# Altium PCB 10515.0500_Display_System（6拼版）_V1.0_20200907.PcbDoc (part 1 of 13) (continued)
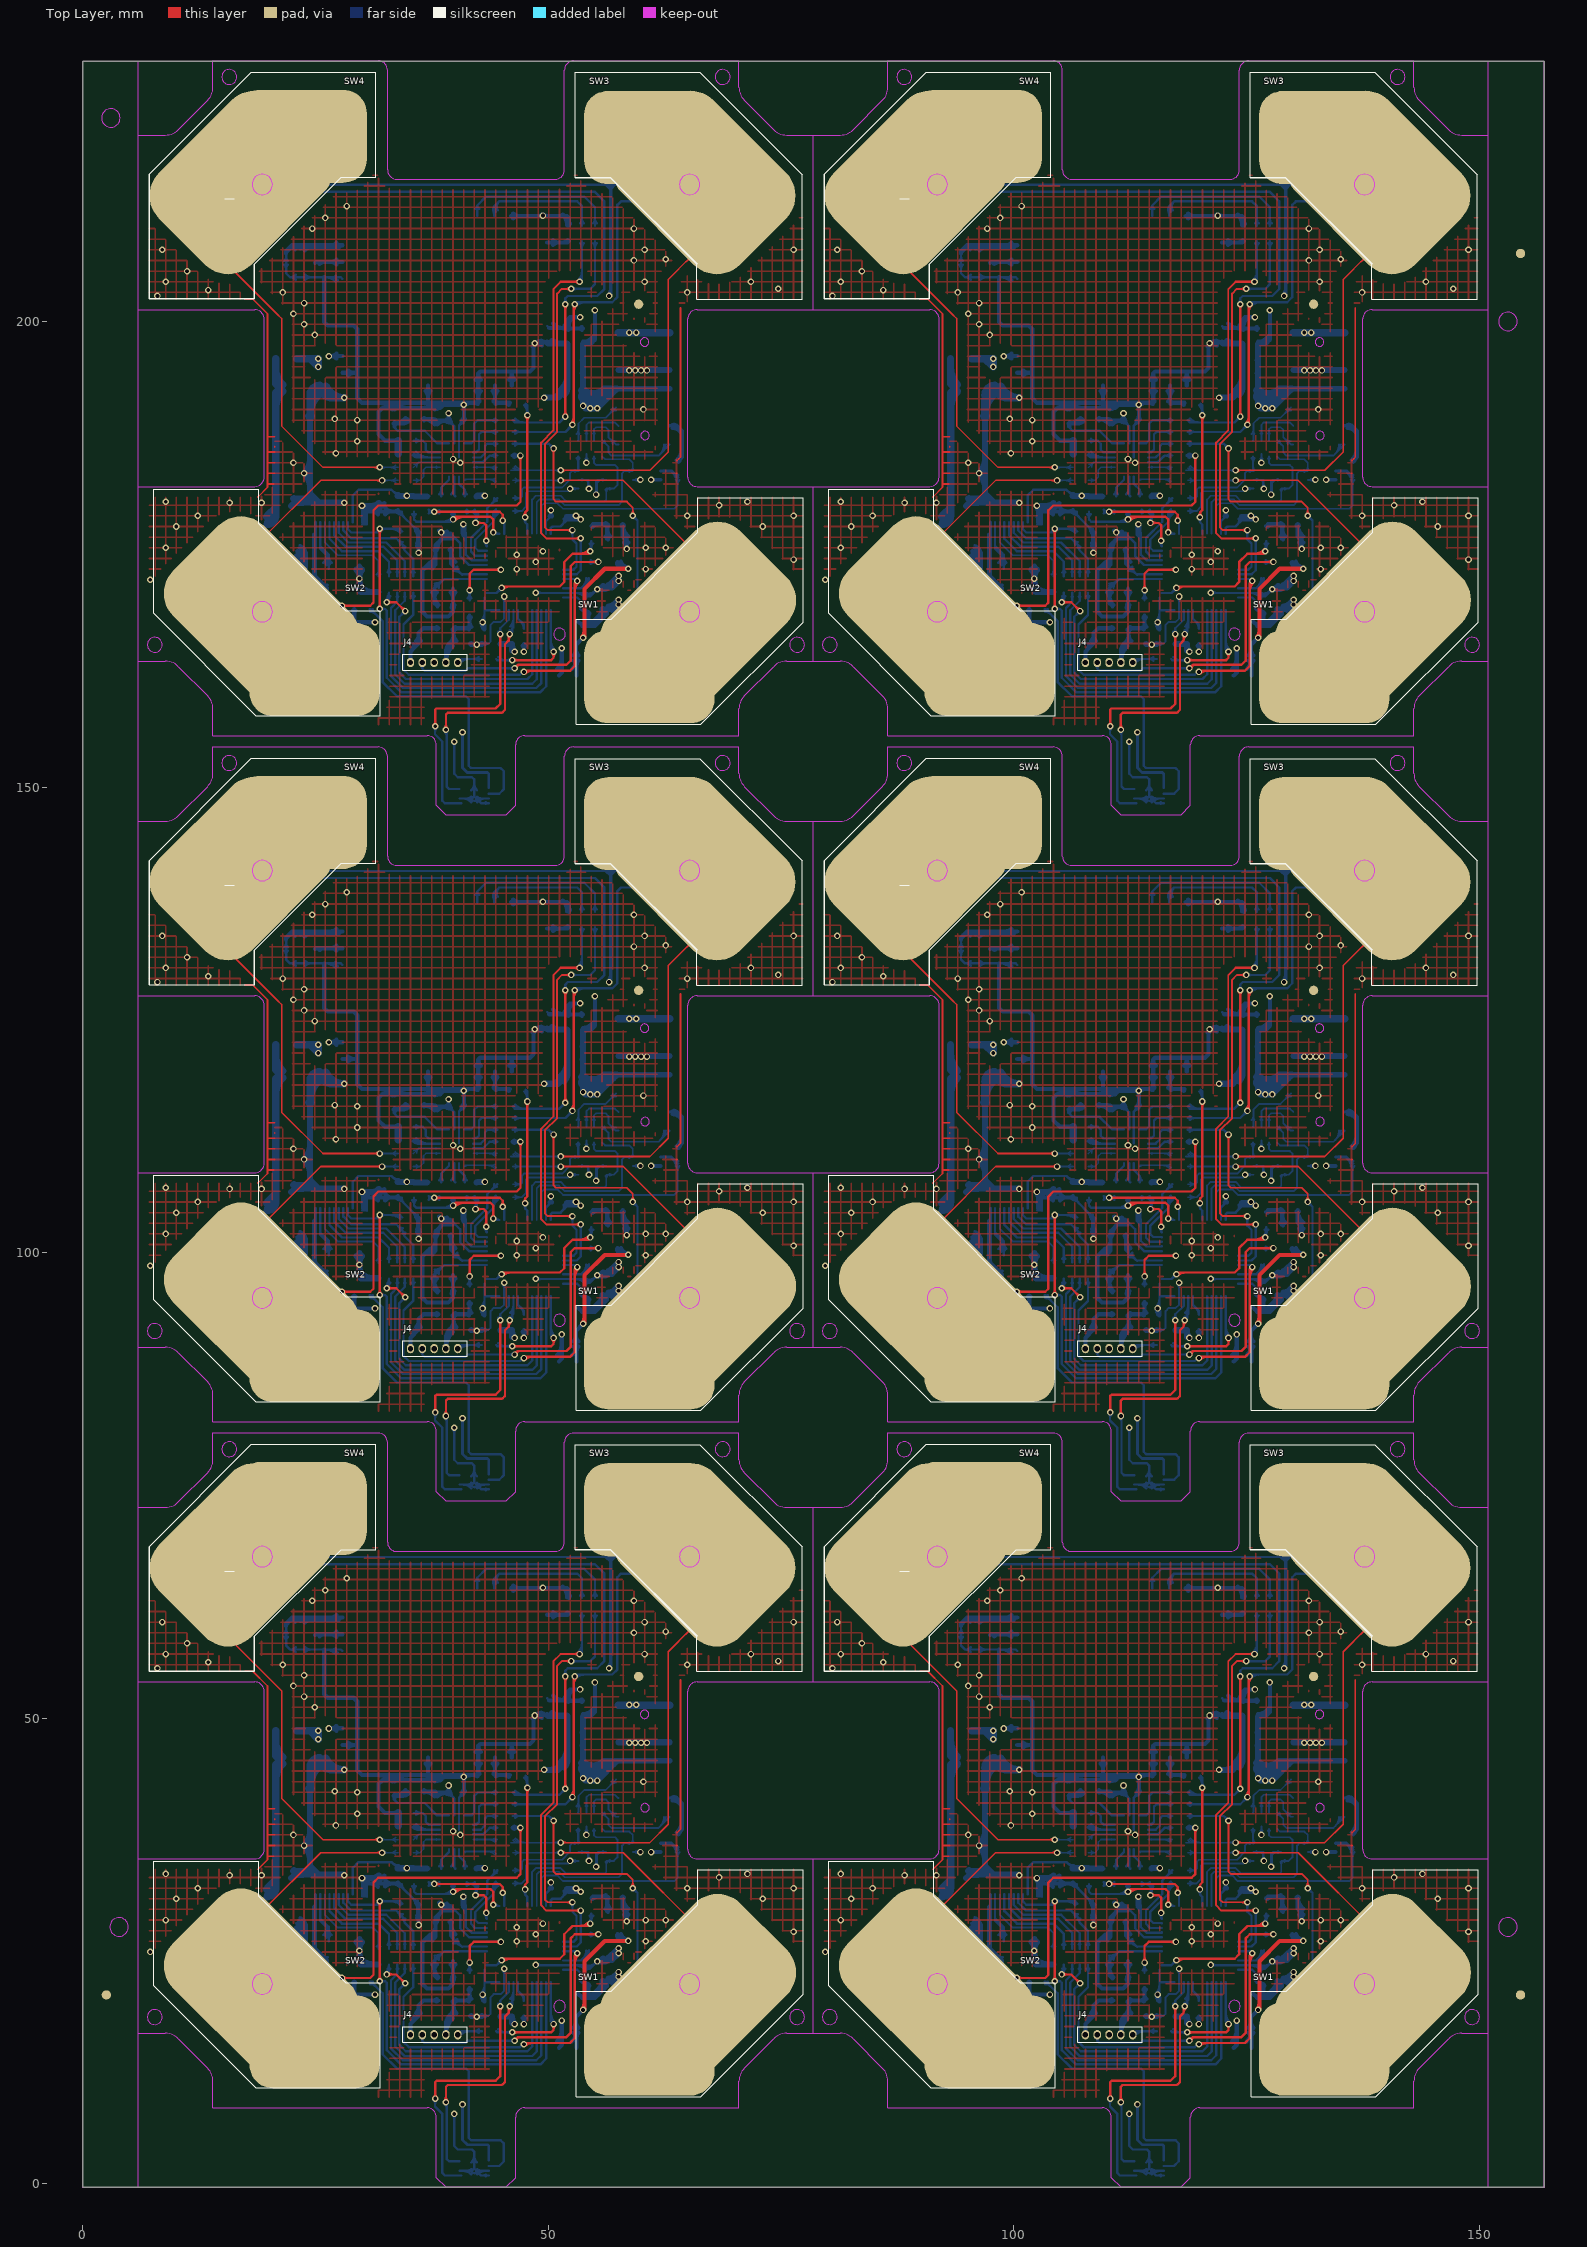
[diagram p0: Top Layer view]
## Components (designator, comment, footprint, x,y, rotation, side; value= is the part's Value field where it differs from the comment) (continued)
C23 "20pF/0603" CAP/SMT/0603C 38.136,22.098 r0 bottom
C23 "20pF/0603" CAP/SMT/0603C 110.636,169.498 r0 bottom
C23 "20pF/0603" CAP/SMT/0603C 110.636,95.798 r0 bottom
C23 "20pF/0603" CAP/SMT/0603C 110.636,22.098 r0 bottom
C24 "20pF/0603" CAP/SMT/0603C 39.533,175.594 r180 bottom
C24 "20pF/0603" CAP/SMT/0603C 39.533,101.894 r180 bottom
C24 "20pF/0603" CAP/SMT/0603C 39.533,28.194 r180 bottom
C24 "20pF/0603" CAP/SMT/0603C 112.033,175.594 r180 bottom
C24 "20pF/0603" CAP/SMT/0603C 112.033,101.894 r180 bottom
C24 "20pF/0603" CAP/SMT/0603C 112.033,28.194 r180 bottom
C25 "0.1uF/0603" CAP/SMT/0603C 41.565,165.434 r90 bottom
C25 "0.1uF/0603" CAP/SMT/0603C 41.565,91.734 r90 bottom
C25 "0.1uF/0603" CAP/SMT/0603C 41.565,18.034 r90 bottom
C25 "0.1uF/0603" CAP/SMT/0603C 114.065,165.434 r90 bottom
C25 "0.1uF/0603" CAP/SMT/0603C 114.065,91.734 r90 bottom
C25 "0.1uF/0603" CAP/SMT/0603C 114.065,18.034 r90 bottom
D1 "1N4148/SOD-123" D/SMT/SOD-123#1 52.995,165.942 r270 bottom
D1 "1N4148/SOD-123" D/SMT/SOD-123#1 52.995,92.242 r270 bottom
D1 "1N4148/SOD-123" D/SMT/SOD-123#1 52.995,18.542 r270 bottom
D1 "1N4148/SOD-123" D/SMT/SOD-123#1 125.495,165.942 r270 bottom
D1 "1N4148/SOD-123" D/SMT/SOD-123#1 125.495,92.242 r270 bottom
D1 "1N4148/SOD-123" D/SMT/SOD-123#1 125.495,18.542 r270 bottom
D2 "1N4007-SOD123" D/SMT/SOD123 23.15,175.213 r135 bottom
D2 "1N4007-SOD123" D/SMT/SOD123 23.15,101.513 r135 bottom
D2 "1N4007-SOD123" D/SMT/SOD123 23.15,27.813 r135 bottom
D2 "1N4007-SOD123" D/SMT/SOD123 95.65,175.213 r135 bottom
D2 "1N4007-SOD123" D/SMT/SOD123 95.65,101.513 r135 bottom
D2 "1N4007-SOD123" D/SMT/SOD123 95.65,27.813 r135 bottom
D3 "SMF13CA/SOD-123" D/SMT/SOD123 20.991,192.866 r0 bottom
D3 "SMF13CA/SOD-123" D/SMT/SOD123 20.991,119.166 r0 bottom
D3 "SMF13CA/SOD-123" D/SMT/SOD123 20.991,45.466 r0 bottom
D3 "SMF13CA/SOD-123" D/SMT/SOD123 93.491,192.866 r0 bottom
D3 "SMF13CA/SOD-123" D/SMT/SOD123 93.491,119.166 r0 bottom
D3 "SMF13CA/SOD-123" D/SMT/SOD123 93.491,45.466 r0 bottom
D4 "SR05-4B/SOT-363" TSOT-6L 59.091,182.071 r0 bottom
D4 "SR05-4B/SOT-363" TSOT-6L 59.091,108.371 r0 bottom
D4 "SR05-4B/SOT-363" TSOT-6L 59.091,34.671 r0 bottom
D4 "SR05-4B/SOT-363" TSOT-6L 131.591,182.071 r0 bottom
D4 "SR05-4B/SOT-363" TSOT-6L 131.591,108.371 r0 bottom
D4 "SR05-4B/SOT-363" TSOT-6L 131.591,34.671 r0 bottom
D7 "ZMM12V" D/SMT/SOD-80 20.737,190.199 r0 bottom
D7 "ZMM12V" D/SMT/SOD-80 20.737,116.499 r0 bottom
D7 "ZMM12V" D/SMT/SOD-80 20.737,42.799 r0 bottom
D7 "ZMM12V" D/SMT/SOD-80 93.237,190.199 r0 bottom
D7 "ZMM12V" D/SMT/SOD-80 93.237,116.499 r0 bottom
D7 "ZMM12V" D/SMT/SOD-80 93.237,42.799 r0 bottom
D8 "1N4148/SOD-123" D/SMT/SOD-123#2 37.882,165.434 r0 bottom
D8 "1N4148/SOD-123" D/SMT/SOD-123#2 37.882,91.734 r0 bottom
D8 "1N4148/SOD-123" D/SMT/SOD-123#2 37.882,18.034 r0 bottom
D8 "1N4148/SOD-123" D/SMT/SOD-123#2 110.382,165.434 r0 bottom
D8 "1N4148/SOD-123" D/SMT/SOD-123#2 110.382,91.734 r0 bottom
D8 "1N4148/SOD-123" D/SMT/SOD-123#2 110.382,18.034 r0 bottom
D9 "SR05-4B/SOT-363" TSOT-6L 53.249,182.071 r0 bottom
D9 "SR05-4B/SOT-363" TSOT-6L 53.249,108.371 r0 bottom
D9 "SR05-4B/SOT-363" TSOT-6L 53.249,34.671 r0 bottom
D9 "SR05-4B/SOT-363" TSOT-6L 125.749,182.071 r0 bottom
D9 "SR05-4B/SOT-363" TSOT-6L 125.749,108.371 r0 bottom
D9 "SR05-4B/SOT-363" TSOT-6L 125.749,34.671 r0 bottom
EC1 "4.7uF/25V" CAP/SMT/TAJA106M010RNJ 26.325,171.022 r0 bottom
EC1 "4.7uF/25V" CAP/SMT/TAJA106M010RNJ 26.325,97.322 r0 bottom
EC1 "4.7uF/25V" CAP/SMT/TAJA106M010RNJ 26.325,23.622 r0 bottom
EC1 "4.7uF/25V" CAP/SMT/TAJA106M010RNJ 98.825,171.022 r0 bottom
EC1 "4.7uF/25V" CAP/SMT/TAJA106M010RNJ 98.825,97.322 r0 bottom
EC1 "4.7uF/25V" CAP/SMT/TAJA106M010RNJ 98.825,23.622 r0 bottom
EC2 "4.7uF/25V" CAP/SMT/TAJA106M010RNJ 26.325,173.562 r0 bottom
EC2 "4.7uF/25V" CAP/SMT/TAJA106M010RNJ 26.325,99.862 r0 bottom
EC2 "4.7uF/25V" CAP/SMT/TAJA106M010RNJ 26.325,26.162 r0 bottom
EC2 "4.7uF/25V" CAP/SMT/TAJA106M010RNJ 98.825,173.562 r0 bottom
EC2 "4.7uF/25V" CAP/SMT/TAJA106M010RNJ 98.825,99.862 r0 bottom
EC2 "4.7uF/25V" CAP/SMT/TAJA106M010RNJ 98.825,26.162 r0 bottom
J1 "CON/2X7PIN" CON/SMT/2×7PIN/2.0MM 61.25,188.834 r180 bottom locked
J1 "CON/2X7PIN" CON/SMT/2×7PIN/2.0MM 61.25,115.134 r180 bottom locked
J1 "CON/2X7PIN" CON/SMT/2×7PIN/2.0MM 61.25,41.434 r180 bottom locked
J1 "CON/2X7PIN" CON/SMT/2×7PIN/2.0MM 133.75,188.834 r180 bottom locked
J1 "CON/2X7PIN" CON/SMT/2×7PIN/2.0MM 133.75,115.134 r180 bottom locked
J1 "CON/2X7PIN" CON/SMT/2×7PIN/2.0MM 133.75,41.434 r180 bottom locked
J3 "Antena_W.FL-LP" W.FL.LP-3MM 23.404,206.328 r90 bottom
J3 "Antena_W.FL-LP" W.FL.LP-3MM 23.404,132.628 r90 bottom
J3 "Antena_W.FL-LP" W.FL.LP-3MM 23.404,58.928 r90 bottom
J3 "Antena_W.FL-LP" W.FL.LP-3MM 95.904,206.328 r90 bottom
J3 "Antena_W.FL-LP" W.FL.LP-3MM 95.904,132.628 r90 bottom
J3 "Antena_W.FL-LP" W.FL.LP-3MM 95.904,58.928 r90 bottom
J4 "CON/DIP/1X5PIN_2MM" CON/DIP/1X5PIN/1.27MM 35.215,163.402 r0 top
J4 "CON/DIP/1X5PIN_2MM" CON/DIP/1X5PIN/1.27MM 35.215,89.702 r0 top
J4 "CON/DIP/1X5PIN_2MM" CON/DIP/1X5PIN/1.27MM 35.215,16.002 r0 top
J4 "CON/DIP/1X5PIN_2MM" CON/DIP/1X5PIN/1.27MM 107.715,163.402 r0 top
J4 "CON/DIP/1X5PIN_2MM" CON/DIP/1X5PIN/1.27MM 107.715,89.702 r0 top
J4 "CON/DIP/1X5PIN_2MM" CON/DIP/1X5PIN/1.27MM 107.715,16.002 r0 top
L1 "10uH/0603/磁珠" 0603R 53.757,198.454 r90 bottom
L1 "10uH/0603/磁珠" 0603R 53.757,124.754 r90 bottom
L1 "10uH/0603/磁珠" 0603R 53.757,51.054 r90 bottom
L1 "10uH/0603/磁珠" 0603R 126.257,198.454 r90 bottom
L1 "10uH/0603/磁珠" 0603R 126.257,124.754 r90 bottom
L1 "10uH/0603/磁珠" 0603R 126.257,51.054 r90 bottom
L2 "L/10uH" L/SMT/0603L 36.485,189.564 r180 bottom
L2 "L/10uH" L/SMT/0603L 36.485,115.864 r180 bottom
L2 "L/10uH" L/SMT/0603L 36.485,42.164 r180 bottom
L2 "L/10uH" L/SMT/0603L 108.985,189.564 r180 bottom
L2 "L/10uH" L/SMT/0603L 108.985,115.864 r180 bottom
L2 "L/10uH" L/SMT/0603L 108.985,42.164 r180 bottom
LED1 "led/1206" D/SMT/LED/1206 66.965,214.71 r180 bottom
LED1 "led/1206" D/SMT/LED/1206 66.965,141.01 r180 bottom
LED1 "led/1206" D/SMT/LED/1206 66.965,67.31 r180 bottom
LED1 "led/1206" D/SMT/LED/1206 139.465,214.71 r180 bottom
LED1 "led/1206" D/SMT/LED/1206 139.465,141.01 r180 bottom
LED1 "led/1206" D/SMT/LED/1206 139.465,67.31 r180 bottom
LED2 "led/1206" D/SMT/LED/1206 20.991,214.71 r180 bottom
LED2 "led/1206" D/SMT/LED/1206 20.991,141.01 r180 bottom
LED2 "led/1206" D/SMT/LED/1206 20.991,67.31 r180 bottom
LED2 "led/1206" D/SMT/LED/1206 93.491,214.71 r180 bottom
LED2 "led/1206" D/SMT/LED/1206 93.491,141.01 r180 bottom
LED2 "led/1206" D/SMT/LED/1206 93.491,67.31 r180 bottom
LED3 "led/1206" D/SMT/LED/1206 20.991,168.863 r180 bottom locked
LED3 "led/1206" D/SMT/LED/1206 20.991,95.163 r180 bottom locked
LED3 "led/1206" D/SMT/LED/1206 20.991,21.463 r180 bottom locked
LED3 "led/1206" D/SMT/LED/1206 93.491,168.863 r180 bottom locked
LED3 "led/1206" D/SMT/LED/1206 93.491,95.163 r180 bottom locked
LED3 "led/1206" D/SMT/LED/1206 93.491,21.463 r180 bottom locked
LED4 "led/1206" D/SMT/LED/1206 66.965,168.863 r180 bottom
LED4 "led/1206" D/SMT/LED/1206 66.965,95.163 r180 bottom
LED4 "led/1206" D/SMT/LED/1206 66.965,21.463 r180 bottom
LED4 "led/1206" D/SMT/LED/1206 139.465,168.863 r180 bottom
LED4 "led/1206" D/SMT/LED/1206 139.465,95.163 r180 bottom
LED4 "led/1206" D/SMT/LED/1206 139.465,21.463 r180 bottom
motor "motor" MOTOR 52.106,162.259 r90 bottom
motor "motor" MOTOR 52.106,88.559 r90 bottom
motor "motor" MOTOR 52.106,14.859 r90 bottom
motor "motor" MOTOR 124.606,162.259 r90 bottom
motor "motor" MOTOR 124.606,88.559 r90 bottom
motor "motor" MOTOR 124.606,14.859 r90 bottom
OLED1 "M80481/SPI" OLED/M80481/6701 30.008,178.626 r0 bottom
OLED1 "M80481/SPI" OLED/M80481/6701 30.008,104.926 r0 bottom
OLED1 "M80481/SPI" OLED/M80481/6701 30.008,31.226 r0 bottom
OLED1 "M80481/SPI" OLED/M80481/6701 102.508,178.626 r0 bottom
OLED1 "M80481/SPI" OLED/M80481/6701 102.508,104.926 r0 bottom
OLED1 "M80481/SPI" OLED/M80481/6701 102.508,31.226 r0 bottom
Q1 "NPN_SS8050" BJT/SMT/SOT-23 56.424,176.61 r0 bottom
Q1 "NPN_SS8050" BJT/SMT/SOT-23 56.424,102.91 r0 bottom
Q1 "NPN_SS8050" BJT/SMT/SOT-23 56.424,29.21 r0 bottom
Q1 "NPN_SS8050" BJT/SMT/SOT-23 128.924,176.61 r0 bottom
Q1 "NPN_SS8050" BJT/SMT/SOT-23 128.924,102.91 r0 bottom
Q1 "NPN_SS8050" BJT/SMT/SOT-23 128.924,29.21 r0 bottom
R1 "10K/0603" 0603R 52.233,209.503 r270 bottom
R1 "10K/0603" 0603R 52.233,135.803 r270 bottom
R1 "10K/0603" 0603R 52.233,62.103 r270 bottom
R1 "10K/0603" 0603R 124.733,209.503 r270 bottom
R1 "10K/0603" 0603R 124.733,135.803 r270 bottom
R1 "10K/0603" 0603R 124.733,62.103 r270 bottom
R2 "910K/0603" 0603R 31.786,171.784 r90 bottom
R2 "910K/0603" 0603R 31.786,98.084 r90 bottom
R2 "910K/0603" 0603R 31.786,24.384 r90 bottom
R2 "910K/0603" 0603R 104.286,171.784 r90 bottom
R2 "910K/0603" 0603R 104.286,98.084 r90 bottom
R2 "910K/0603" 0603R 104.286,24.384 r90 bottom
R3 "1K/0603" 0603R 45.375,188.167 r0 bottom
R3 "1K/0603" 0603R 45.375,114.467 r0 bottom
R3 "1K/0603" 0603R 45.375,40.767 r0 bottom
R3 "1K/0603" 0603R 117.875,188.167 r0 bottom
R3 "1K/0603" 0603R 117.875,114.467 r0 bottom
R3 "1K/0603" 0603R 117.875,40.767 r0 bottom
R4 "1K/0603" 0603R 45.375,186.897 r0 bottom
R4 "1K/0603" 0603R 45.375,113.197 r0 bottom
R4 "1K/0603" 0603R 45.375,39.497 r0 bottom
R4 "1K/0603" 0603R 117.875,186.897 r0 bottom
R4 "1K/0603" 0603R 117.875,113.197 r0 bottom
R4 "1K/0603" 0603R 117.875,39.497 r0 bottom
R5 "1K/0603" 0603R 45.375,185.627 r0 bottom
R5 "1K/0603" 0603R 45.375,111.927 r0 bottom
R5 "1K/0603" 0603R 45.375,38.227 r0 bottom
R5 "1K/0603" 0603R 117.875,185.627 r0 bottom
R5 "1K/0603" 0603R 117.875,111.927 r0 bottom
R5 "1K/0603" 0603R 117.875,38.227 r0 bottom
R6 "1K/0603" 0603R 45.375,189.414 r0 bottom
R6 "1K/0603" 0603R 45.375,115.714 r0 bottom
R6 "1K/0603" 0603R 45.375,42.014 r0 bottom
R6 "1K/0603" 0603R 117.875,189.414 r0 bottom
R6 "1K/0603" 0603R 117.875,115.714 r0 bottom
R6 "1K/0603" 0603R 117.875,42.014 r0 bottom
R7 "10K/0603" 0603R 36.993,180.42 r270 bottom
R7 "10K/0603" 0603R 36.993,106.72 r270 bottom
R7 "10K/0603" 0603R 36.993,33.02 r270 bottom
R7 "10K/0603" 0603R 109.493,180.42 r270 bottom
R7 "10K/0603" 0603R 109.493,106.72 r270 bottom
R7 "10K/0603" 0603R 109.493,33.02 r270 bottom
R8 "10K/0603" 0603R 35.596,180.42 r270 bottom
R8 "10K/0603" 0603R 35.596,106.72 r270 bottom
R8 "10K/0603" 0603R 35.596,33.02 r270 bottom
R8 "10K/0603" 0603R 108.096,180.42 r270 bottom
R8 "10K/0603" 0603R 108.096,106.72 r270 bottom
R8 "10K/0603" 0603R 108.096,33.02 r270 bottom
R9 "10K/0603" 0603R 42.327,180.42 r270 bottom
R9 "10K/0603" 0603R 42.327,106.72 r270 bottom
R9 "10K/0603" 0603R 42.327,33.02 r270 bottom
R9 "10K/0603" 0603R 114.827,180.42 r270 bottom
R9 "10K/0603" 0603R 114.827,106.72 r270 bottom
R9 "10K/0603" 0603R 114.827,33.02 r270 bottom
R10 "10K/0603" 0603R 30.008,169.117 r180 bottom
R10 "10K/0603" 0603R 30.008,95.417 r180 bottom
R10 "10K/0603" 0603R 30.008,21.717 r180 bottom
R10 "10K/0603" 0603R 102.508,169.117 r180 bottom
R10 "10K/0603" 0603R 102.508,95.417 r180 bottom
R10 "10K/0603" 0603R 102.508,21.717 r180 bottom
R11 "10R/0603" 0603R 45.375,181.055 r0 bottom
R11 "10R/0603" 0603R 45.375,107.355 r0 bottom
R11 "10R/0603" 0603R 45.375,33.655 r0 bottom
R11 "10R/0603" 0603R 117.875,181.055 r0 bottom
R11 "10R/0603" 0603R 117.875,107.355 r0 bottom
R11 "10R/0603" 0603R 117.875,33.655 r0 bottom
R12 "560R/0603" 0603R 34.707,182.96 r0 bottom
R12 "560R/0603" 0603R 34.707,109.26 r0 bottom
R12 "560R/0603" 0603R 34.707,35.56 r0 bottom
R12 "560R/0603" 0603R 107.207,182.96 r0 bottom
R12 "560R/0603" 0603R 107.207,109.26 r0 bottom
R12 "560R/0603" 0603R 107.207,35.56 r0 bottom
R13 "560R/0603" 0603R 34.707,184.357 r0 bottom
R13 "560R/0603" 0603R 34.707,110.657 r0 bottom
R13 "560R/0603" 0603R 34.707,36.957 r0 bottom
R13 "560R/0603" 0603R 107.207,184.357 r0 bottom
R13 "560R/0603" 0603R 107.207,110.657 r0 bottom
R13 "560R/0603" 0603R 107.207,36.957 r0 bottom
R14 "560R/0603" 0603R 45.375,184.293 r0 bottom
R14 "560R/0603" 0603R 45.375,110.593 r0 bottom
R14 "560R/0603" 0603R 45.375,36.893 r0 bottom
R14 "560R/0603" 0603R 117.875,184.293 r0 bottom
R14 "560R/0603" 0603R 117.875,110.593 r0 bottom
R14 "560R/0603" 0603R 117.875,36.893 r0 bottom
R15 "560R/0603" 0603R 45.375,182.96 r0 bottom
R15 "560R/0603" 0603R 45.375,109.26 r0 bottom
R15 "560R/0603" 0603R 45.375,35.56 r0 bottom
R15 "560R/0603" 0603R 117.875,182.96 r0 bottom
R15 "560R/0603" 0603R 117.875,109.26 r0 bottom
R15 "560R/0603" 0603R 117.875,35.56 r0 bottom
R16 "10R/0603" 0603R 46.772,191.215 r0 bottom
R16 "10R/0603" 0603R 46.772,117.515 r0 bottom
R16 "10R/0603" 0603R 46.772,43.815 r0 bottom
R16 "10R/0603" 0603R 119.272,191.215 r0 bottom
R16 "10R/0603" 0603R 119.272,117.515 r0 bottom
R16 "10R/0603" 0603R 119.272,43.815 r0 bottom
R17 "10R/0603" 0603R 38.517,180.42 r270 bottom
R17 "10R/0603" 0603R 38.517,106.72 r270 bottom
R17 "10R/0603" 0603R 38.517,33.02 r270 bottom
R17 "10R/0603" 0603R 111.017,180.42 r270 bottom
R17 "10R/0603" 0603R 111.017,106.72 r270 bottom
R17 "10R/0603" 0603R 111.017,33.02 r270 bottom
R18 "100R/0603" 0603R 35.215,177.499 r180 bottom
R18 "100R/0603" 0603R 35.215,103.799 r180 bottom
R18 "100R/0603" 0603R 35.215,30.099 r180 bottom
R18 "100R/0603" 0603R 107.715,177.499 r180 bottom
R18 "100R/0603" 0603R 107.715,103.799 r180 bottom
R18 "100R/0603" 0603R 107.715,30.099 r180 bottom
R19 "10R/0603" 0603R 45.375,179.658 r0 bottom
R19 "10R/0603" 0603R 45.375,105.958 r0 bottom
R19 "10R/0603" 0603R 45.375,32.258 r0 bottom
R19 "10R/0603" 0603R 117.875,179.658 r0 bottom
R19 "10R/0603" 0603R 117.875,105.958 r0 bottom
R19 "10R/0603" 0603R 117.875,32.258 r0 bottom
R20 "4.7K/0603" 0603R 54.646,177.245 r270 bottom
R20 "4.7K/0603" 0603R 54.646,103.545 r270 bottom
R20 "4.7K/0603" 0603R 54.646,29.845 r270 bottom
R20 "4.7K/0603" 0603R 127.146,177.245 r270 bottom
R20 "4.7K/0603" 0603R 127.146,103.545 r270 bottom
R20 "4.7K/0603" 0603R 127.146,29.845 r270 bottom
R21 "4.7K/0603" 0603R 57.186,178.261 r180 bottom
R21 "4.7K/0603" 0603R 57.186,104.561 r180 bottom
R21 "4.7K/0603" 0603R 57.186,30.861 r180 bottom
R21 "4.7K/0603" 0603R 129.686,178.261 r180 bottom
R21 "4.7K/0603" 0603R 129.686,104.561 r180 bottom
R21 "4.7K/0603" 0603R 129.686,30.861 r180 bottom
R22 "10R/0603" 0603R 41.057,180.42 r90 bottom
R22 "10R/0603" 0603R 41.057,106.72 r90 bottom
R22 "10R/0603" 0603R 41.057,33.02 r90 bottom
R22 "10R/0603" 0603R 113.557,180.42 r90 bottom
R22 "10R/0603" 0603R 113.557,106.72 r90 bottom
R22 "10R/0603" 0603R 113.557,33.02 r90 bottom
R23 "10R/0603" 0603R 39.787,180.42 r90 bottom
R23 "10R/0603" 0603R 39.787,106.72 r90 bottom
R23 "10R/0603" 0603R 39.787,33.02 r90 bottom
R23 "10R/0603" 0603R 112.287,180.42 r90 bottom
R23 "10R/0603" 0603R 112.287,106.72 r90 bottom
R23 "10R/0603" 0603R 112.287,33.02 r90 bottom
R24 "10K/0603" 0603R 44.74,166.196 r90 bottom
R24 "10K/0603" 0603R 44.74,92.496 r90 bottom
R24 "10K/0603" 0603R 44.74,18.796 r90 bottom
R24 "10K/0603" 0603R 117.24,166.196 r90 bottom
R24 "10K/0603" 0603R 117.24,92.496 r90 bottom
R24 "10K/0603" 0603R 117.24,18.796 r90 bottom
R25 "10K/0603" 0603R 46.137,166.196 r90 bottom
R25 "10K/0603" 0603R 46.137,92.496 r90 bottom
R25 "10K/0603" 0603R 46.137,18.796 r90 bottom
R25 "10K/0603" 0603R 118.637,166.196 r90 bottom
R25 "10K/0603" 0603R 118.637,92.496 r90 bottom
R25 "10K/0603" 0603R 118.637,18.796 r90 bottom
R26 "10R/0603" 0603R 55.027,209.503 r90 bottom
R26 "10R/0603" 0603R 55.027,135.803 r90 bottom
R26 "10R/0603" 0603R 55.027,62.103 r90 bottom
R26 "10R/0603" 0603R 127.527,209.503 r90 bottom
R26 "10R/0603" 0603R 127.527,135.803 r90 bottom
R26 "10R/0603" 0603R 127.527,62.103 r90 bottom
R27 "10R/0603" 0603R 53.63,209.503 r90 bottom
R27 "10R/0603" 0603R 53.63,135.803 r90 bottom
R27 "10R/0603" 0603R 53.63,62.103 r90 bottom
R27 "10R/0603" 0603R 126.13,209.503 r90 bottom
R27 "10R/0603" 0603R 126.13,135.803 r90 bottom
R27 "10R/0603" 0603R 126.13,62.103 r90 bottom
R28 "10R/0603" 0603R 63.917,184.103 r270 bottom
R28 "10R/0603" 0603R 63.917,110.403 r270 bottom
R28 "10R/0603" 0603R 63.917,36.703 r270 bottom
R28 "10R/0603" 0603R 136.417,184.103 r270 bottom
R28 "10R/0603" 0603R 136.417,110.403 r270 bottom
R28 "10R/0603" 0603R 136.417,36.703 r270 bottom
R30 "PRG21BC2R2MM1RK" 0805R 23.023,196.041 r180 bottom
R30 "PRG21BC2R2MM1RK" 0805R 23.023,122.341 r180 bottom
R30 "PRG21BC2R2MM1RK" 0805R 23.023,48.641 r180 bottom
R30 "PRG21BC2R2MM1RK" 0805R 95.523,196.041 r180 bottom
R30 "PRG21BC2R2MM1RK" 0805R 95.523,122.341 r180 bottom
R30 "PRG21BC2R2MM1RK" 0805R 95.523,48.641 r180 bottom
R31 "20R/0603" 0603R 54.392,173.308 r270 bottom
R31 "20R/0603" 0603R 54.392,99.608 r270 bottom
R31 "20R/0603" 0603R 54.392,25.908 r270 bottom
R31 "20R/0603" 0603R 126.892,173.308 r270 bottom
R31 "20R/0603" 0603R 126.892,99.608 r270 bottom
R31 "20R/0603" 0603R 126.892,25.908 r270 bottom
R32 "20R/0603" 0603R 43.597,163.783 r180 bottom
R32 "20R/0603" 0603R 43.597,90.083 r180 bottom
R32 "20R/0603" 0603R 43.597,16.383 r180 bottom
R32 "20R/0603" 0603R 116.097,163.783 r180 bottom
R32 "20R/0603" 0603R 116.097,90.083 r180 bottom
R32 "20R/0603" 0603R 116.097,16.383 r180 bottom
R33 "10K/0603" 0603R 47.407,166.196 r90 bottom
R33 "10K/0603" 0603R 47.407,92.496 r90 bottom
R33 "10K/0603" 0603R 47.407,18.796 r90 bottom
R33 "10K/0603" 0603R 119.907,166.196 r90 bottom
R33 "10K/0603" 0603R 119.907,92.496 r90 bottom
R33 "10K/0603" 0603R 119.907,18.796 r90 bottom
R34 "10K/0603" 0603R 39.025,167.085 r180 bottom
R34 "10K/0603" 0603R 39.025,93.385 r180 bottom
R34 "10K/0603" 0603R 39.025,19.685 r180 bottom
R34 "10K/0603" 0603R 111.525,167.085 r180 bottom
R34 "10K/0603" 0603R 111.525,93.385 r180 bottom
R34 "10K/0603" 0603R 111.525,19.685 r180 bottom
R35 "430R/0603" 0603R 41.565,169.244 r90 bottom
R35 "430R/0603" 0603R 41.565,95.544 r90 bottom
R35 "430R/0603" 0603R 41.565,21.844 r90 bottom
R35 "430R/0603" 0603R 114.065,169.244 r90 bottom
R35 "430R/0603" 0603R 114.065,95.544 r90 bottom
R35 "430R/0603" 0603R 114.065,21.844 r90 bottom
RP1 "10R/0603/1/8W/±5%" 0603R*4 34.199,171.784 r0 bottom
RP1 "10R/0603/1/8W/±5%" 0603R*4 34.199,98.084 r0 bottom
RP1 "10R/0603/1/8W/±5%" 0603R*4 34.199,24.384 r0 bottom
RP1 "10R/0603/1/8W/±5%" 0603R*4 106.699,171.784 r0 bottom
RP1 "10R/0603/1/8W/±5%" 0603R*4 106.699,98.084 r0 bottom
RP1 "10R/0603/1/8W/±5%" 0603R*4 106.699,24.384 r0 bottom
RP2 "10R/0603/1/8W/±5%" 0603R*4 54.519,186.643 r180 bottom
RP2 "10R/0603/1/8W/±5%" 0603R*4 54.519,112.943 r180 bottom
RP2 "10R/0603/1/8W/±5%" 0603R*4 54.519,39.243 r180 bottom
RP2 "10R/0603/1/8W/±5%" 0603R*4 127.019,186.643 r180 bottom
RP2 "10R/0603/1/8W/±5%" 0603R*4 127.019,112.943 r180 bottom
RP2 "10R/0603/1/8W/±5%" 0603R*4 127.019,39.243 r180 bottom
SW1 "TOUCH" "SWITCH/TOUCH /四叶草"#1 66.203,169.879 r180 top locked
SW1 "TOUCH" "SWITCH/TOUCH /四叶草"#1 66.203,96.179 r180 top locked
SW1 "TOUCH" "SWITCH/TOUCH /四叶草"#1 66.203,22.479 r180 top locked
SW1 "TOUCH" "SWITCH/TOUCH /四叶草"#1 138.703,169.879 r180 top locked
SW1 "TOUCH" "SWITCH/TOUCH /四叶草"#1 138.703,96.179 r180 top locked
SW1 "TOUCH" "SWITCH/TOUCH /四叶草"#1 138.703,22.479 r180 top locked
SW2 "TOUCH" "SWITCH/TOUCH /四叶草"#2 20.737,168.863 r90 top locked
SW2 "TOUCH" "SWITCH/TOUCH /四叶草"#2 20.737,95.163 r90 top locked
SW2 "TOUCH" "SWITCH/TOUCH /四叶草"#2 20.737,21.463 r90 top locked
SW2 "TOUCH" "SWITCH/TOUCH /四叶草"#2 93.237,168.863 r90 top locked
SW2 "TOUCH" "SWITCH/TOUCH /四叶草"#2 93.237,95.163 r90 top locked
SW2 "TOUCH" "SWITCH/TOUCH /四叶草"#2 93.237,21.463 r90 top locked
SW3 "TOUCH" "SWITCH/TOUCH /四叶草"#3 64.171,215.599 r270 top locked
SW3 "TOUCH" "SWITCH/TOUCH /四叶草"#3 64.171,141.899 r270 top locked
SW3 "TOUCH" "SWITCH/TOUCH /四叶草"#3 64.171,68.199 r270 top locked
SW3 "TOUCH" "SWITCH/TOUCH /四叶草"#3 136.671,215.599 r270 top locked
SW3 "TOUCH" "SWITCH/TOUCH /四叶草"#3 136.671,141.899 r270 top locked
SW3 "TOUCH" "SWITCH/TOUCH /四叶草"#3 136.671,68.199 r270 top locked
SW4 "TOUCH" "SWITCH/TOUCH /四叶草"#4 18.324,213.694 r0 top locked
SW4 "TOUCH" "SWITCH/TOUCH /四叶草"#4 18.324,139.994 r0 top locked
SW4 "TOUCH" "SWITCH/TOUCH /四叶草"#4 18.324,66.294 r0 top locked
SW4 "TOUCH" "SWITCH/TOUCH /四叶草"#4 90.824,213.694 r0 top locked
SW4 "TOUCH" "SWITCH/TOUCH /四叶草"#4 90.824,139.994 r0 top locked
SW4 "TOUCH" "SWITCH/TOUCH /四叶草"#4 90.824,66.294 r0 top locked
U1 "TCM310" TCM310 38.898,202.264 r0 bottom locked
U1 "TCM310" TCM310 38.898,128.564 r0 bottom locked
U1 "TCM310" TCM310 38.898,54.864 r0 bottom locked
U1 "TCM310" TCM310 111.398,202.264 r0 bottom locked
U1 "TCM310" TCM310 111.398,128.564 r0 bottom locked
U1 "TCM310" TCM310 111.398,54.864 r0 bottom locked
U2 "CY8CMBR3108" QFN-16 40.168,185.246 r0 bottom
U2 "CY8CMBR3108" QFN-16 40.168,111.546 r0 bottom
U2 "CY8CMBR3108" QFN-16 40.168,37.846 r0 bottom
U2 "CY8CMBR3108" QFN-16 112.668,185.246 r0 bottom
U2 "CY8CMBR3108" QFN-16 112.668,111.546 r0 bottom
U2 "CY8CMBR3108" QFN-16 112.668,37.846 r0 bottom
U3 "SENSOR/SHT30" SENSOR/SHT30 40.803,147.781 r0 bottom
U3 "SENSOR/SHT30" SENSOR/SHT30 40.803,74.081 r0 bottom
U3 "SENSOR/SHT30" SENSOR/SHT30 40.803,0.381 r0 bottom
U3 "SENSOR/SHT30" SENSOR/SHT30 113.303,147.781 r0 bottom
U3 "SENSOR/SHT30" SENSOR/SHT30 113.303,74.081 r0 bottom
U3 "SENSOR/SHT30" SENSOR/SHT30 113.303,0.381 r0 bottom
U4 "STM32L072CBT6" TQFP48 43.47,170.387 r0 bottom locked
U4 "STM32L072CBT6" TQFP48 43.47,96.687 r0 bottom locked
U4 "STM32L072CBT6" TQFP48 43.47,22.987 r0 bottom locked
U4 "STM32L072CBT6" TQFP48 115.97,170.387 r0 bottom locked
U4 "STM32L072CBT6" TQFP48 115.97,96.687 r0 bottom locked
U4 "STM32L072CBT6" TQFP48 115.97,22.987 r0 bottom locked
XTAL1 "OSC 12MHZ" OSC/SMT/12M 39.787,173.816 r180 bottom
XTAL1 "OSC 12MHZ" OSC/SMT/12M 39.787,100.116 r180 bottom
XTAL1 "OSC 12MHZ" OSC/SMT/12M 39.787,26.416 r180 bottom
XTAL1 "OSC 12MHZ" OSC/SMT/12M 112.287,173.816 r180 bottom
XTAL1 "OSC 12MHZ" OSC/SMT/12M 112.287,100.116 r180 bottom
XTAL1 "OSC 12MHZ" OSC/SMT/12M 112.287,26.416 r180 bottom

## Footprints (in the part's own frame and the unit in brackets; to place one, negate y for a bottom-side part, rotate by r counter-clockwise, add the part's x,y. Pads: shape width x height; smd on the part's side, far side on the other; paste and mask are expansions set on the pad)
0603R [mil]
  rect 35x32 smd: 1(-32.5,0) 2(32.5,0)
  silkscreen extent -58,-25 58,25, body extent -33,-15 30,16, height 18
0603R*4 [mm]
  rect 0.7x1.2 smd: 1(-1.3,-0.865) 4(1.3,-0.865) 5(1.3,0.865) 8(-1.3,0.865)
  rect 0.5x1.2 smd: 2(-0.4,-0.865) 3(0.4,-0.865) 6(0.4,0.865) 7(-0.4,0.865)
  silkscreen extent -1.45,-0.4 1.45,0.4
0805R [mm]
  rect 1.2x1.524 smd: 1(0,0) 2(2.3,0)
  silkscreen extent -1,-1.1 3.3,1.1, body extent 0.13,-0.64 2.13,0.62, height 0.55
BJT/SMT/SOT-23 [mm] "transistor 1base 2emitter 3collector"
  rect 1.143x1.27 smd: 1(0,0) 2(1.95,0)
  rect 1.27x1.27 smd: 3(1,2.5)
  silkscreen extent -0.78,-0.8 2.78,3.26, body extent -0.38,-0.13 2.52,2.67, height 1.2
CAP/SMT/0603C [mil]
  rect 35x32 smd: 1(-1,1.97) 2(64,1.97)
  silkscreen extent -28,-24 89,30, body extent -20,-20 82,19, height 35
CAP/SMT/0805C [mm]
  rect 1.2x1.524 smd: 1(0.01,0.01) 2(2.296,0.01)
  silkscreen extent -0.99,-1.13 3.32,1.15, body extent -0.38,-0.64 2.62,0.76, height 0.93
CAP/SMT/TAJA106M010RNJ [mm]
  rect 1.5x1.5 smd: 1(-0.025,-0.102) 2(3.404,-0.102)
  silkscreen extent -1.42,-1.37 4.68,1.8, body extent 0,-0.97 3.2,0.64, height 1.6
CON/DIP/1X5PIN/1.27MM [mm]
  oval 0.8x1 hole 0.58: 1(0,0) 2(1.27,0) 3(2.54,0) 4(3.81,0) 5(5.08,0)
  silkscreen extent -0.81,-0.81 6.1,0.86
CON/SMT/2×7PIN/2.0MM [mm]
  rect 1.4x0.9 smd: 1(-1.803,9.982) 2(-1.803,7.983) 3(-1.803,5.984) 4(-1.803,3.984) 5(-1.803,1.985) 6(-1.803,-0.015) 7(-1.803,-2.014) 8(3.708,9.982) 9(3.708,7.983) 10(3.708,5.984) 11(3.708,3.984) 12(3.708,1.985) 13(3.708,-0.015) 14(3.708,-2.014)
  silkscreen extent -2.3,-3.05 4.2,10.98
D/SMT/LED/1206 [mil]
  rect 50x60 smd: 1(0,0) 2(140,0)
  silkscreen extent -10,-43 147,70
D/SMT/SOD123 [mm]
  rect 2x1.8 smd: 1(0.229,0) 2(4.597,0)
  silkscreen extent -1.4,-1.14 5.84,1.14, body extent 0.21,-2.11 4.51,2.19, height 1.2
D/SMT/SOD-80 [mil]
  rect 50x60 smd: 1(0,0) 2(145,0)
  silkscreen extent -35,-50 175,50, body extent 0,-30 138,29, height 59
D/SMT/SOD-123#1 [mm]
  rect 1.2x1.2 smd: 1(-1.8,0) 2(1.8,0)
  silkscreen extent -3.43,-0.9 2.78,0.9, body extent -1.91,-0.76 1.79,0.84, height 1.2
D/SMT/SOD-123#2 [mm]
  rect 1.6x1.2 smd: 1(-1.8,0) 2(1.8,0)
  silkscreen extent -3.43,-0.9 2.78,0.9, body extent -1.91,-0.76 1.79,0.84, height 1.2
L/SMT/0603L [mil]
  rect 35x32 smd: 1(-1,-1) 2(64,-1)
  silkscreen extent -28,-26 91,24
MOTOR [mm]
  rect 1.6x1 smd: 1(0,0.953) 2(0,-0.953)
  silkscreen extent -1.78,-1.71 2.67,1.71
OLED/M80481/6701 [mm]
  rect 0.3x1.3 smd: 1(0,0.15) 2(-0.5,0.15) 3(-1,0.15) 4(-1.5,0.15) 5(-2,0.15) 6(-2.5,0.15) 7(-3,0.15) 8(-3.5,0.15) 9(-4,0.15) 10(-4.5,0.15) 11(-5,0.15) 12(-5.5,0.15)
  rect 1.5x2.6 smd: 13(-7.6,-1.6) 14(2.1,-1.6)
  silkscreen extent -6.6,-2.92 1.27,-0.64
OSC/SMT/12M [mm]
  rect 1.15x1.4 smd: 1(0,0) 2(0,-2.5) 3(2,-2.5) 4(2,0)
  silkscreen extent -1.52,-3.43 2.92,1.02
QFN-16 [mm]
  rect 1x0.4 smd: 1(-1.778,0.875) 4(-1.778,-0.724) 9(1.778,-0.724) 12(1.778,0.875)
  rect 1x0.3 smd: 2(-1.778,0.326) 3(-1.778,-0.175) 10(1.778,-0.175) 11(1.778,0.326)
  rect 0.4x1 smd: 5(-0.812,-1.714) 8(0.812,-1.714) 13(0.812,1.905) 16(-0.812,1.905)
  rect 0.3x1 smd: 6(-0.254,-1.714) 7(0.254,-1.714) 14(0.254,1.905) 15(-0.254,1.905)
  rect 1.7x1.7 smd: 17(-0.024,0.088)
  silkscreen extent -2.28,-1.41 1.48,2.03
SENSOR/SHT30 [mm]
  rect 1.2x0.5 smd: 1(-0.127,-0.508) 4(-0.327,-2.032) 5(2.827,-2.032) 8(2.827,-0.508)
  rect 1.2x0.25 smd: 2(-0.327,-1.016) 3(-0.327,-1.524) 6(2.827,-1.524) 7(2.827,-1.016)
  rect 1.1x1.8 smd: 2(1.25,-1.25)
  silkscreen extent 0,-2.5 2.5,0
"SWITCH/TOUCH /四叶草"#1 [mm]
  rrect50% 20x14 smd rot 45: 1(0.135,1.905)
  silkscreen extent -11.18,-11.23 13.17,13.12
"SWITCH/TOUCH /四叶草"#2 [mm]
  rrect50% 20x13.75 smd rot 45: 1(-0.254,1.516)
  silkscreen extent -11.18,-11.23 13.17,13.12
"SWITCH/TOUCH /四叶草"#3 [mm]
  rrect50% 18x14 smd rot 45: 1(0.643,2.54)
  silkscreen extent -11.18,-11.23 13.17,13.12
"SWITCH/TOUCH /四叶草"#4 [mm]
  rrect50% 18x14 smd rot 45: 1(-1.27,1.262)
  silkscreen extent -11.18,-11.23 13.17,13.12
TCM310 [mm]
  rect 1.9x1.2 smd: 1(-11,7.75) 2(-11,5.95) 3(-11,4.15) 4(-11,-0.55) 5(-11,-2.35) 6(-11,-4.15) 7(-11,-5.95) 8(-11,-7.75) 18(11,-6.25) 19(11,-4.457) 20(11,-2.664) 21(11,-0.871) 22(11,0.921) 23(11,2.714) 24(11,4.507) 25(11,6.3)
  rect 1.2x1.9 smd: 9(-7.3,-9.1) 10(-5.5,-9.1) 11(-3.7,-9.1) 12(-1.9,-9.1) 13(-0.1,-9.1) 14(1.7,-9.1) 15(3.5,-9.1) 16(5.3,-9.1) 17(7.1,-9.1) 26(7.2,9.1) 27(5.4,9.1) 28(3.6,9.1) 29(1.8,9.1) 30(0,9.1) 31(-1.8,9.1) 32(-3.6,9.1) 33(-5.4,9.1) 34(-7.2,9.1)
  silkscreen extent -11,-9.5 11,9.5
TQFP48 [mm]
  rect 1.6x0.3 smd: 1(-0.047,0.014) 2(-0.047,-0.486) 3(-0.047,-0.986) 4(-0.047,-1.486) 5(-0.047,-1.986) 6(-0.047,-2.486) 7(-0.047,-2.986) 8(-0.047,-3.486) 9(-0.047,-3.986) 10(-0.047,-4.486) 11(-0.047,-4.986) 12(-0.047,-5.486) 25(8.153,-5.486) 26(8.153,-4.986) 27(8.153,-4.486) 28(8.153,-3.986) 29(8.153,-3.486) 30(8.153,-2.986) 31(8.153,-2.486) 32(8.153,-1.986) 33(8.153,-1.486) 34(8.153,-0.986) 35(8.153,-0.486) 36(8.153,0.014)
  rect 0.3x1.6 smd: 13(1.303,-6.836) 14(1.803,-6.836) 15(2.303,-6.836) 16(2.803,-6.836) 17(3.303,-6.836) 18(3.803,-6.836) 19(4.303,-6.836) 20(4.803,-6.836) 21(5.303,-6.836) 22(5.803,-6.836) 23(6.303,-6.836) 24(6.803,-6.836) 37(6.803,1.364) 38(6.303,1.364) 39(5.803,1.364) 40(5.303,1.364) 41(4.803,1.364) 42(4.303,1.364) 43(3.803,1.364) 44(3.303,1.364) 45(2.803,1.364) 46(2.303,1.364) 47(1.803,1.364) 48(1.303,1.364)
  silkscreen extent -0.17,-5.64 6.95,0.84
TSOT-6L [mm]
  rect 1x0.5 smd: 1(0,0) 2(0,-0.95) 3(0,-1.9) 4(3,-1.905) 5(3,-0.95) 6(3,0)
  silkscreen extent 0.64,-2.54 2.29,0.64
W.FL.LP-3MM [mm]
  rect 1x1.5 smd: 1(1.55,0) 2(-1.55,0)
  rect 0.8x1.5 smd: 3(0,1.55)
  rect 0.8x1.2 smd: 4(0,-1.55)
  silkscreen extent -2.24,-2.36 2.24,2.34

## Part data
C1 C1 C1 C1 C1 C1 C2 C2 C2 C2 C2 C2 C3 C3 C3 C3 C3 C3 C4 C4 C4 C4 C4 C4 C5 C5 C5 C5 C5 C5 C6 C6 C6 C6 C6 C6 C7 C7 C7 C7 C7 C7 C8 C8 C8 C8 C8 C8 C9 C9 C9 C9 C9 C9 C11 C11 C11 C11 C11 C11 C16 C16 C16 C16 C16 C16 C17 C17 C17 C17 C17 C17 C18 C18 C18 C18 C18 C18 C19 C19 C19 C19 C19 C19 C20 C20 C20 C20 C20 C20 C23 C23 C23 C23 C23 C23 C24 C24 C24 C24 C24 C24 C25 C25 C25 C25 C25 C25: library part CAP/CAP/SMT/0603C
C10 C10 C10 C10 C10 C10 C12 C12 C12 C12 C12 C12: library part CAP/CAP/SMT/0805C
D1 D1 D1 D1 D1 D1 D8 D8 D8 D8 D8 D8: library part D/D/SMT/1N4148/SOD-123, "VR=75V T(-65-175)P(0.5W)VF=0.6V"
D2 D2 D2 D2 D2 D2: library part D/D/SMT/1N4007-SOD123
D3 D3 D3 D3 D3 D3: library part D/TVS/SMT/SMF13CA/SOD-123
D4 D4 D4 D4 D4 D4 D9 D9 D9 D9 D9 D9: library part D/TVS/SMT/SR05-4B/SOT-363
D7 D7 D7 D7 D7 D7: library part D/ZENER/SMT/ZMM8V2/SOD80
EC1 EC1 EC1 EC1 EC1 EC1 EC2 EC2 EC2 EC2 EC2 EC2: library part CAP/TEC/SMT/TAJA106M010RNJ
J1 J1 J1 J1 J1 J1: library part CON/SMT/2X7PIN/2MM
J3 J3 J3 J3 J3 J3: library part OTHER/Antena
J4 J4 J4 J4 J4 J4: "Connector"
L1 L1 L1 L1 L1 L1: library part INDUCTOR1
L2 L2 L2 L2 L2 L2: library part L/BEAD/SMT/0603L
LED1 LED1 LED1 LED1 LED1 LED1 LED2 LED2 LED2 LED2 LED2 LED2 LED3 LED3 LED3 LED3 LED3 LED3 LED4 LED4 LED4 LED4 LED4 LED4: library part D/LED/SMT/WEJT81GC/1206
motor motor motor motor motor motor: library part OTHER/MOTOR
OLED1 OLED1 OLED1 OLED1 OLED1 OLED1: library part OLED/M80481/SPI, "OLED/M80481"
Q1 Q1 Q1 Q1 Q1 Q1: library part BJT/NPN/SMT/SS8050/SOT-23
R1 R1 R1 R1 R1 R1: library part Res, "Resistor"
R2 R2 R2 R2 R2 R2 R3 R3 R3 R3 R3 R3 R4 R4 R4 R4 R4 R4 R5 R5 R5 R5 R5 R5 R6 R6 R6 R6 R6 R6 R7 R7 R7 R7 R7 R7 R8 R8 R8 R8 R8 R8 R9 R9 R9 R9 R9 R9 R10 R10 R10 R10 R10 R10 R11 R11 R11 R11 R11 R11 R12 R12 R12 R12 R12 R12 R13 R13 R13 R13 R13 R13 R14 R14 R14 R14 R14 R14 R15 R15 R15 R15 R15 R15 R16 R16 R16 R16 R16 R16 R17 R17 R17 R17 R17 R17 R18 R18 R18 R18 R18 R18 R19 R19 R19 R19 R19 R19 R20 R20 R20 R20 R20 R20 R21 R21 R21 R21 R21 R21 R22 R22 R22 R22 R22 R22 R23 R23 R23 R23 R23 R23 R24 R24 R24 R24 R24 R24 R25 R25 R25 R25 R25 R25 R26 R26 R26 R26 R26 R26 R27 R27 R27 R27 R27 R27 R28 R28 R28 R28 R28 R28 R33 R33 R33 R33 R33 R33 R34 R34 R34 R34 R34 R34 R35 R35 R35 R35 R35 R35: library part RES/RES/SMT/0603
R30 R30 R30 R30 R30 R30: library part RES/RES/SMT/0805
R31 R31 R31 R31 R31 R31: library part Res1, "Resistor"
R32 R32 R32 R32 R32 R32: library part A_Res_0805, "Resistor"
RP1 RP1 RP1 RP1 RP1 RP1 RP2 RP2 RP2 RP2 RP2 RP2: library part "RES /PACKS/SMT/0603*4", "Isolated Resistor Network"
SW1 SW1 SW1 SW1 SW1 SW1 SW2 SW2 SW2 SW2 SW2 SW2 SW3 SW3 SW3 SW3 SW3 SW3 SW4 SW4 SW4 SW4 SW4 SW4: library part SWITCH/TOUCH/SMT/四叶草
U1 U1 U1 U1 U1 U1: library part TCM_310
U2 U2 U2 U2 U2 U2: library part IC/TOUCH/CY8CMBR3108/QFN16
U3 U3 U3 U3 U3 U3: "温湿度传感器"
U4 U4 U4 U4 U4 U4: library part MCU/SMT/STM32L072CBT6/LQFP48
XTAL1 XTAL1 XTAL1 XTAL1 XTAL1 XTAL1: library part XTAL/SMT/OSC12MHZ-2

## Free pads (board coordinates)
  round 1 all layers, no hole: 0(2.549,20.278) 0(59.726,54.483) 0(59.726,128.183) 0(59.726,201.883) 0(132.226,54.483) 0(132.226,128.183) 0(132.226,201.883) 0(154.451,20.278) 0(154.451,207.335)
  round 2 on Bottom Solder: 0(2.549,20.278) 0(59.726,54.483) 0(59.726,128.183) 0(59.726,201.883) 0(132.226,54.483) 0(132.226,128.183) 0(132.226,201.883) 0(154.451,20.278) 0(154.451,207.335)
  round 2 on Top Solder: 0(2.549,20.278) 0(59.726,54.483) 0(59.726,128.183) 0(59.726,201.883) 0(132.226,54.483) 0(132.226,128.183) 0(132.226,201.883) 0(154.451,20.278) 0(154.451,207.335)
  rrect50% 14x10 smd: 0(23.531,72.517) 0(23.531,146.217) 0(23.531,219.917) 0(24.928,15.24) 0(24.928,88.94) 0(24.928,162.64) 0(60.869,14.478) 0(60.869,72.39) 0(60.869,88.178) 0(60.869,146.09) 0(60.869,161.878) 0(60.869,219.79) 0(96.031,72.517) 0(96.031,146.217) 0(96.031,219.917) 0(97.428,15.24) 0(97.428,88.94) 0(97.428,162.64) 0(133.369,14.478) 0(133.369,72.39) 0(133.369,88.178) 0(133.369,146.09) 0(133.369,161.878) 0(133.369,219.79)

## Via types
v1: diameter 0.7, hole 0.4, Top Layer to Bottom Layer, tented both sides, 894 vias

## Nets (pads, with @x,y where several pads share a name; then routed paths per layer and width w, separated by ;. In a path a pad name is that pad's centre, name@x,y a point inside that pad or via, vN(x,y) a via of type N, cw(c..) or ccw(c..) an arc to the next point about the centre after c; other vN are vias at no path point)
pads on no net: C1.1 C1.2 C2.1 C2.2 C3.1 C3.2 C4.1 C4.2 C5.1 C5.2 C6.1 C6.2 C7.1 C7.2 C8.1 C8.2 C9.1 C9.2 C10.1 C10.2 C11.1 C11.2 C12.1 C12.2 C16.1 C16.2 C17.1 C17.2 C18.1 C18.2 C19.1 C19.2 C20.1 C20.2 C23.1 C23.2 C24.1 C24.2 C25.1 C25.2 D1.1 D1.2 D2.1 D2.2 D3.1 D3.2 D4.1 D4.2 D4.3 D4.4 D4.5 D4.6 D7.1 D7.2 D8.1 D8.2 D9.1 D9.2 D9.3 D9.4 D9.5 D9.6 EC1.1 EC1.2 EC2.1 EC2.2 J1.1 J1.2 J1.3 J1.4 J1.5 J1.6 J1.7 J1.8 J1.9 J1.10 J1.11 J1.12 J1.13 J1.14 J3.1 J3.2 J3.3 J3.4 J4.1 J4.2 J4.3 J4.4 J4.5 L1.1 L1.2 L2.1 L2.2 LED1.1 LED1.2 LED2.1 LED2.2 LED3.1 LED3.2 LED4.1 LED4.2 motor.1 motor.2 OLED1.1 OLED1.2 OLED1.3 OLED1.4 OLED1.5 OLED1.6 OLED1.7 OLED1.8 OLED1.9 OLED1.10 OLED1.11 OLED1.12 OLED1.13 OLED1.14 Q1.1 Q1.2 Q1.3 R1.1 R1.2 R2.1 R2.2 R3.1 R3.2 R4.1 R4.2 R5.1 R5.2 R6.1 R6.2 R7.1 R7.2 R8.1 R8.2 R9.1 R9.2 R10.1 R10.2 R11.1 R11.2 R12.1 R12.2 R13.1 R13.2 R14.1 R14.2 R15.1 R15.2 R16.1 R16.2 R17.1 R17.2 R18.1 R18.2 R19.1 R19.2 R20.1 R20.2 R21.1 R21.2 R22.1 R22.2 R23.1 R23.2 R24.1 R24.2 R25.1 R25.2 R26.1 R26.2 R27.1 R27.2 R28.1 R28.2 R30.1 R30.2 R31.1 R31.2 R32.1 R32.2 R33.1 R33.2 R34.1 R34.2 R35.1 R35.2 RP1.1 RP1.2 RP1.3 RP1.4 RP1.5 RP1.6 RP1.7 RP1.8 RP2.1 RP2.2 RP2.3 RP2.4 RP2.5 RP2.6 RP2.7 RP2.8 SW1.1 SW2.1 SW3.1 SW4.1 U1.1 U1.2 U1.3 U1.4 U1.5 U1.6 U1.7 U1.8 U1.9 U1.10 U1.11 U1.12 U1.13 U1.14 U1.15 U1.16 U1.17 U1.18 U1.19 U1.20 U1.21 U1.22 U1.23 U1.24 U1.25 U1.26 U1.27 U1.28 U1.29 U1.30 U1.31 U1.32 U1.33 U1.34 U2.1 U2.2 U2.3 U2.4 U2.5 U2.6 U2.7 U2.8 U2.9 U2.10 U2.11 U2.12 U2.13 U2.14 U2.15 U2.16 U2.17 U3.1 U3.2 U3.3 U3.4 U3.5 U3.6 U3.7 U3.8 U4.1 U4.2 U4.3 U4.4 U4.5 U4.6 U4.7 U4.8 U4.9 U4.10 U4.11 U4.12 U4.13 U4.14 U4.15 U4.16 U4.17 U4.18 U4.19 U4.20 U4.21 U4.22 U4.23 U4.24 U4.25 U4.26 U4.27 U4.28 U4.29 U4.30 U4.31 U4.32 U4.33 U4.34 U4.35 U4.36 U4.37 U4.38 U4.39 U4.40 U4.41 U4.42 U4.43 U4.44 U4.45 U4.46 U4.47 U4.48 XTAL1.1 XTAL1.2 XTAL1.3 XTAL1.4